# Altium PCB STB_LightBoard.PcbDoc (part 13 of 31)
Units mm, origin at the board's own origin, x right, y up, seen from the top; angles counter-clockwise.
Board outline 348 x 348 mm, 2 copper layers (Top Layer, Bottom Layer), stack 1.672 mm thick; 3807 components, 3391 nets, 11616 pads, 2553 vias.
Unrouted connection lines stored in the file: 68.
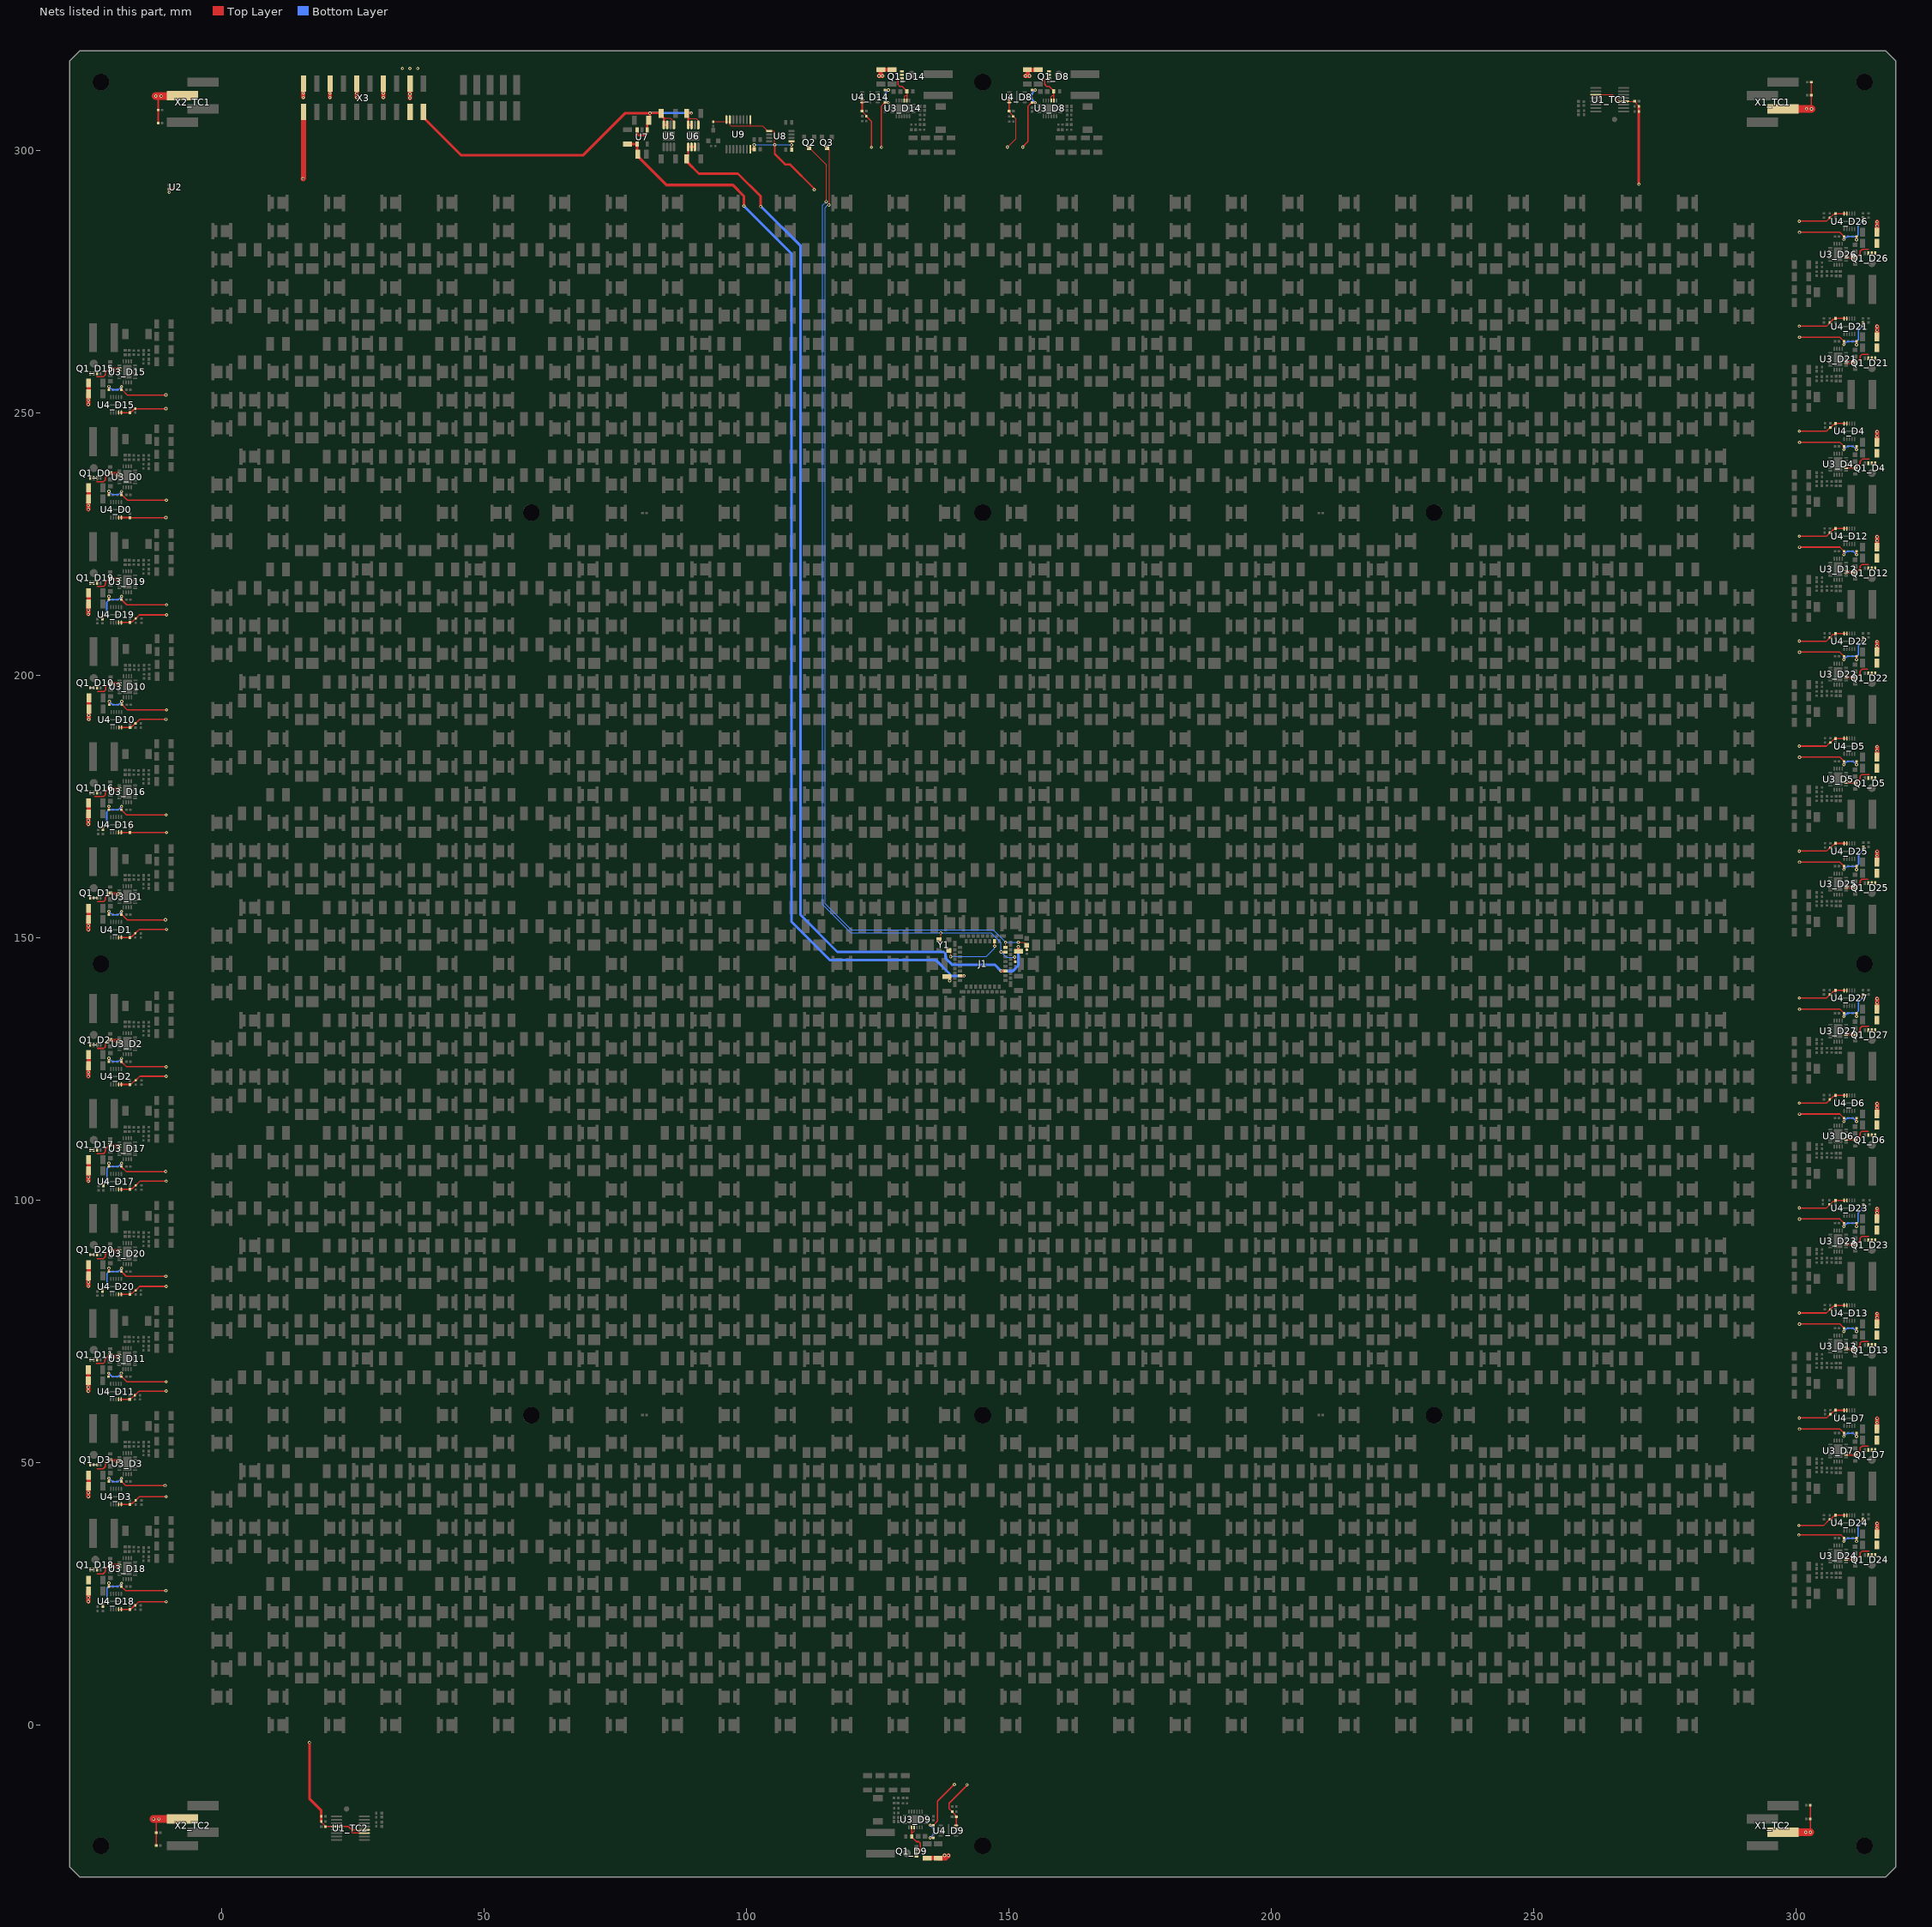
[diagram p13: the nets of this part, all layers, seen from the top]

## Part data (continued)
R48_TC1 R48_TC2 R49_TC1 R49_TC2 R55_D0 R55_D1 R55_D2 R55_D3 R55_D4 R55_D5 R55_D6 R55_D7 R55_D8 R55_D9 R55_D10 R55_D11 R55_D12 R55_D13 R55_D14 R55_D15 R55_D16 R55_D17 R55_D18 R55_D19 R55_D20 R55_D21 R55_D22 R55_D23 R55_D24 R55_D25 R55_D26 R55_D27 R58_D0 R58_D1 R58_D2 R58_D3 R58_D4 R58_D5 R58_D6 R58_D7 R58_D8 R58_D9 R58_D10 R58_D11 R58_D12 R58_D13 R58_D14 R58_D15 R58_D16 R58_D17 R58_D18 R58_D19 R58_D20 R58_D21 R58_D22 R58_D23 R58_D24 R58_D25 R58_D26 R58_D27 R94 R95 R96: library part CMP-2000-07588-1, "Chip Resistor, 10 KOhm, +/- 1%, 0.1 W, -55 to 155 degC, 0402 (1005 Metric), RoHS, Tape and Reel", Case Code (Imperial)=0402, Case Code (Metric)=1005, Manufacturer=Panasonic, Manufacturer Part Number=ERJ-2RKF1002X, Max Operating Temperature=155degC, Max Power Dissipation=100mW, Min Operating Temperature=-55degC, Package Description="2-Pin Surface Mount Device, Body 1 x 0.5 mm", Package Height=0.35mm, Package Length=1mm, Package Quantity=1, Package Reference=402, Package Shape=Rectangular, Package Style=SMTMeter, Package Width=0.5mm, Rated Temperature=70°C, Resistor Type="FIXED RESISTOR", Supplier Part Number 1=P10.0KLDKR-ND, Temperature Coefficient=100ppm\/degreesC, Tolerance=1%, Voltage Rating=50V, Case\/Package=0402, Category="Chip SMD Resistors", ComponentLink1Description=https://datasheet.ciiva.com:443/pdfs/VipMasterIC/IC/PANA/PANA-S-A0009889626/PANA-S-A0009889626-1.pdf?src-supplier=IHS+Markit, ComponentLink1URL=https://datasheet.ciiva.com:443/pdfs/VipMasterIC/IC/PANA/PANA-S-A0009889626/PANA-S-A0009889626-1.pdf?src-supplier=IHS+Markit, ComponentLink2Description=https://datasheet.ciiva.com/11821/0900766b80f80784-11821171.pdf?src-supplier=RSComponents, ComponentLink2URL=https://datasheet.ciiva.com/11821/0900766b80f80784-11821171.pdf?src-supplier=RSComponents, ComponentLink3Description=https://datasheet.ciiva.com/27055/1987020-27055643.pdf?src-supplier=Jameco, ComponentLink3URL=https://datasheet.ciiva.com/27055/1987020-27055643.pdf?src-supplier=Jameco, ComponentLink4Description=https://datasheet.ciiva.com/43467/1678782-43467402.pdf?src-supplier=Farnell, ComponentLink4URL=https://datasheet.ciiva.com/43467/1678782-43467402.pdf?src-supplier=Farnell, ComponentLink5Description=https://datasheet.ciiva.com/28514/1678782-28514185.pdf?src-supplier=Element14, ComponentLink5URL=https://datasheet.ciiva.com/28514/1678782-28514185.pdf?src-supplier=Element14, ComponentLink6Description=https://datasheet.ciiva.com/24023/aoa0000ce2-24023017.pdf?src-supplier=Mouser, ComponentLink6URL=https://datasheet.ciiva.com/24023/aoa0000ce2-24023017.pdf?src-supplier=Mouser, ComponentLink7Description=https://datasheet.ciiva.com/16782/70260748-16782590.pdf?src-supplier=Allied+Electronics, ComponentLink7URL=https://datasheet.ciiva.com/16782/70260748-16782590.pdf?src-supplier=Allied+Electronics, ComponentLink8Description=https://datasheet.ciiva.com/16786/70260748-16786734.pdf?src-supplier=Allied+Electronics, ComponentLink8URL=https://datasheet.ciiva.com/16786/70260748-16786734.pdf?src-supplier=Allied+Electronics, ComponentLink9Description=https://datasheet.ciiva.com/9194/aoa0000ce2-9194142.pdf?src-supplier=Avnet, ComponentLink9URL=https://datasheet.ciiva.com/9194/aoa0000ce2-9194142.pdf?src-supplier=Avnet, ComponentLink10Description=https://datasheet.ciiva.com/16199/aoa0000ce2-16199478.pdf?src-supplier=Future+Electronics, ComponentLink10URL=https://datasheet.ciiva.com/16199/aoa0000ce2-16199478.pdf?src-supplier=Future+Electronics, ComponentLink11Description=https://datasheet.ciiva.com/48531/aoa0000ce2-48531069.pdf?src-supplier=Avnet, ComponentLink11URL=https://datasheet.ciiva.com/48531/aoa0000ce2-48531069.pdf?src-supplier=Avnet, ComponentLink12Description=https://datasheet.ciiva.com/30201/aoa0000ce2-30201022.pdf?src-supplier=Onlinecomponents.com, ComponentLink12URL=https://datasheet.ciiva.com/30201/aoa0000ce2-30201022.pdf?src-supplier=Onlinecomponents.com, Composition=ThickFilm, Construction=Rectangular, Contact Plating=Tin, Datasheet URL=https://industrial.panasonic.com/cdbs/www-data/pdf/RDA0000/AOA0000C304.pdf, Datasheet Version=02/2017, Depth=0.5mm, Height=0.35mm, JESD-609 Code=e3, Lead Free=LeadFree, Length=1mm, Manufacturer URL=http://www.panasonic.com/, Military Standard=Not, Mount=SurfaceMount, Mounting Technology=SurfaceMount, Number of Pins=2, Number of Terminations=2, Packaging=TapeandReel, Power Rating=100mW, Pricing 1="1=0.10000, 10=0.03300, 100=0.01330, 1000=0.00599, 2500=0.00520, 5000=0.00429 (USD)", Radiation Hardening=No, Rated Power Dissipation (P)=100mW, REACH SVHC=NoSVHC, Reference Standard=AEC-Q200, RoHS=Yes, RoHS Compliant=Yes, RoHSCompliant=True, Size Code=0402, Stock 1=108, Supplier 1=Digi-Key, Technology="METAL GLAZE/THICK FILM", Terminal Finish=Nickel, Termination=SMD/SMT, Voltage Rating (DC)=50V, Width=0.02inch, Working Voltage=50V
R50_TC1 R50_TC2 R52_TC1 R52_TC2: library part CMP-1011-00531-2, Manufacturer="Yageo / Phycomp", Manufacturer Part Number=RC0402FR-071K6L, Max Operating Temperature=155°C, Min Operating Temperature=-55°C, Package Height=0.35mm, Package Length=1mm, Package Shape=Rectangular, Package Style=SMTMeter, Package Width=0.5mm, Rated Power Dissipation (P)=62.5mW, Rated Temperature=70°C, Resistor Type="FIXED RESISTOR", Supplier Part Number 1=YAG3045CT-ND, Temperature Coefficient=100ppm/°C, Tolerance=1%, Working Voltage=50V, Additional Feature="LASER TRIMMABLE", Category="Chip SMD Resistors", ComponentLink1Description=https://datasheet.ciiva.com:443/pdfs/VipMasterIC/IC/YAGO/YAGO-S-A0008145938/YAGO-S-A0008145938-1.pdf?src-supplier=IHS+Markit, ComponentLink1URL=https://datasheet.ciiva.com:443/pdfs/VipMasterIC/IC/YAGO/YAGO-S-A0008145938/YAGO-S-A0008145938-1.pdf?src-supplier=IHS+Markit, ComponentLink2Description=https://datasheet.ciiva.com/7849/1018594-7849865.pdf?src-supplier=Element14, ComponentLink2URL=https://datasheet.ciiva.com/7849/1018594-7849865.pdf?src-supplier=Element14, ComponentLink3Description=https://datasheet.ciiva.com/7849/1018594-7849866.pdf?src-supplier=Element14, ComponentLink3URL=https://datasheet.ciiva.com/7849/1018594-7849866.pdf?src-supplier=Element14, ComponentLink4Description=https://datasheet.ciiva.com/8895/pyu-rc0402-51-rohs-l-6-8895221.pdf?src-supplier=Avnet, ComponentLink4URL=https://datasheet.ciiva.com/8895/pyu-rc0402-51-rohs-l-6-8895221.pdf?src-supplier=Avnet, ComponentLink5Description=https://datasheet.ciiva.com/15189/getdatasheetpartid-329238-15189373.pdf?src-supplier=Verical, ComponentLink5URL=https://datasheet.ciiva.com/15189/getdatasheetpartid-329238-15189373.pdf?src-supplier=Verical, Construction=Chip, JESD-609 Code=e3, Mount="Surface Mount", Number of Pins=2, Packaging="Tape and Reel", Part Number=RC0402FR-071K6L, Pricing 1="1=0.10000, 10=0.01500, 100=0.00600, 1000=0.00267, 2500=0.00232, 5000=0.00192 (USD)", REACH SVHC=Yes, RoHS=Yes, RoHS Compliant=Yes, Size Code=0402, Stock 1=492226, Supplier 1=Digi-Key, Technology="METAL GLAZE/THICK FILM", Terminal Finish=Nickel, Termination=Wraparound
R51_TC1 R51_TC2 R53_TC1 R53_TC2: library part CMP-06022-000003-3, "NTC Thermistor for Temperature Sensor, 0402, 10kΩ, 1%, 0.1mA, 5V", Case Code (Imperial)=0402, Case Code (Metric)=1005, Current Rating=310uA, Manufacturer=Murata, Max Operating Temperature=125°C, Max Power Dissipation=100mW, Min Operating Temperature=-40°C, Package Quantity=10000, Package Shape=Rectangular, Rated Temperature=25°C, Resistance Tolerance=1%, Resistor Type="NTC THERMISTOR", Supplier Part Number 1=490-4801-1-ND, Case/Package=0402, Category=Thermistors, ComponentLink1Description=https://datasheet.ciiva.com:443/pdfs/VipMasterIC/IC/MURE/MURE-S-A0003530701/MURE-S-A0003530701-1.pdf?src-supplier=IHS+Markit, ComponentLink1URL=https://datasheet.ciiva.com:443/pdfs/VipMasterIC/IC/MURE/MURE-S-A0003530701/MURE-S-A0003530701-1.pdf?src-supplier=IHS+Markit, Depth=0.5mm, Height=0.5mm, JESD-609 Code=e3, Lead Free="Lead Free", Length=1mm, Manufacturer Part Number=NCP15XH103F03RC, Mount="Surface Mount", Number of Pins=2, Packaging="Tape and Reel", Power Rating=100mW, Pricing 1="1=0.16000, 5=0.14200, 10=0.12600, 25=0.11280, 50=0.09940, 100=0.08470, 500=0.07000, 1000=0.05861, 5000=0.05210 (USD)", Radiation Hardening=No, Rated Power Dissipation (P)=100mW, REACH SVHC="No SVHC", RoHS=Yes, RoHS Compliant=Yes, Series=NCP, Stock 1=413279, Supplier 1=Digi-Key, Terminal Finish=Nickel, Terminal Placement="Dual Ended", Termination=SMD/SMT, Thermistor Application="TEMPERATURE COMPENSATION", Tolerance=1%
R54_D0 R54_D1 R54_D2 R54_D3 R54_D4 R54_D5 R54_D6 R54_D7 R54_D8 R54_D9 R54_D10 R54_D11 R54_D12 R54_D13 R54_D14 R54_D15 R54_D16 R54_D17 R54_D18 R54_D19 R54_D20 R54_D21 R54_D22 R54_D23 R54_D24 R54_D25 R54_D26 R54_D27: library part CMP-2002-00863-1, Manufacturer=Panasonic, Manufacturer Part Number=ERJ-2RKF3163X, Max Operating Temperature=155°C, Min Operating Temperature=-55°C, Package Height=0.35mm, Package Length=1mm, Package Shape=Rectangular, Package Style=SMTMeter, Package Width=0.5mm, Rated Power Dissipation (P)=100mW, Rated Temperature=70°C, Resistor Type="FIXED RESISTOR", Supplier Part Number 1=P316KLDKR-ND, Temperature Coefficient=100ppm/°C, Tolerance=1%, Working Voltage=50V, Category="Chip SMD Resistors", ComponentLink1Description=https://datasheet.ciiva.com:443/pdfs/VipMasterIC/IC/PANA/PANA-S-A0009889626/PANA-S-A0009889626-1.pdf?src-supplier=IHS+Markit, ComponentLink1URL=https://datasheet.ciiva.com:443/pdfs/VipMasterIC/IC/PANA/PANA-S-A0009889626/PANA-S-A0009889626-1.pdf?src-supplier=IHS+Markit, ComponentLink2Description=https://datasheet.ciiva.com/7853/aoa0000ce2-7853694.pdf?src-supplier=Element14, ComponentLink2URL=https://datasheet.ciiva.com/7853/aoa0000ce2-7853694.pdf?src-supplier=Element14, ComponentLink3Description=https://datasheet.ciiva.com/43467/1678782-43467525.pdf?src-supplier=Farnell, ComponentLink3URL=https://datasheet.ciiva.com/43467/1678782-43467525.pdf?src-supplier=Farnell, ComponentLink4Description=https://datasheet.ciiva.com/46373/1678782-46373323.pdf?src-supplier=Element14, ComponentLink4URL=https://datasheet.ciiva.com/46373/1678782-46373323.pdf?src-supplier=Element14, ComponentLink5Description=https://datasheet.ciiva.com/22663/1678782-22663805.pdf?src-supplier=Farnell, ComponentLink5URL=https://datasheet.ciiva.com/22663/1678782-22663805.pdf?src-supplier=Farnell, ComponentLink6Description=https://datasheet.ciiva.com/28564/1694929-28564143.pdf?src-supplier=Element14, ComponentLink6URL=https://datasheet.ciiva.com/28564/1694929-28564143.pdf?src-supplier=Element14, ComponentLink7Description=https://datasheet.ciiva.com/46373/1678782-46373322.pdf?src-supplier=Element14, ComponentLink7URL=https://datasheet.ciiva.com/46373/1678782-46373322.pdf?src-supplier=Element14, ComponentLink8Description=https://datasheet.ciiva.com/24070/aoa0000ce2-24070773.pdf?src-supplier=Mouser, ComponentLink8URL=https://datasheet.ciiva.com/24070/aoa0000ce2-24070773.pdf?src-supplier=Mouser, ComponentLink9Description=https://datasheet.ciiva.com/16761/70260748-16761806.pdf?src-supplier=Allied+Electronics, ComponentLink9URL=https://datasheet.ciiva.com/16761/70260748-16761806.pdf?src-supplier=Allied+Electronics, ComponentLink10Description=https://datasheet.ciiva.com/16762/70260748-16762152.pdf?src-supplier=Allied+Electronics, ComponentLink10URL=https://datasheet.ciiva.com/16762/70260748-16762152.pdf?src-supplier=Allied+Electronics, ComponentLink11Description=https://datasheet.ciiva.com/9183/aoa0000ce2-9183095.pdf?src-supplier=Avnet, ComponentLink11URL=https://datasheet.ciiva.com/9183/aoa0000ce2-9183095.pdf?src-supplier=Avnet, ComponentLink12Description=https://datasheet.ciiva.com/30180/aoa0000ce2-30180486.pdf?src-supplier=Onlinecomponents.com, ComponentLink12URL=https://datasheet.ciiva.com/30180/aoa0000ce2-30180486.pdf?src-supplier=Onlinecomponents.com, Construction=Rectangular, JESD-609 Code=e3, Mount="Surface Mount", Number of Pins=2, Packaging="Tape and Reel", Part Number=ERJ-2RKF3163X, Pricing 1="1=0.10000, 10=0.03300, 100=0.01330, 1000=0.00599, 2500=0.00520, 5000=0.00429 (USD)", Reach SVHC Compliant=Yes, Reference Standard=AEC-Q200, RoHS=Yes, RoHS Compliant=Yes, Size Code=0402, Stock 1=215434, Supplier 1=Digi-Key, Technology="METAL GLAZE/THICK FILM", Terminal Finish=Nickel, Termination=Wraparound
R59_D0 R59_D1 R59_D2 R59_D3 R59_D4 R59_D5 R59_D6 R59_D7 R59_D8 R59_D9 R59_D10 R59_D11 R59_D12 R59_D13 R59_D14 R59_D15 R59_D16 R59_D17 R59_D18 R59_D19 R59_D20 R59_D21 R59_D22 R59_D23 R59_D24 R59_D25 R59_D26 R59_D27: library part CMP-2002-00254-1, Manufacturer="Vishay Dale", Manufacturer Part Number=CRCW04028K20FKED, Max Operating Temperature=155°C, Min Operating Temperature=-55°C, Package Height=0.35mm, Package Length=1mm, Package Shape=Rectangular, Package Style=SMTMeter, Package Width=0.5mm, Rated Power Dissipation (P)=63mW, Rated Temperature=70°C, Resistor Type="FIXED RESISTOR", Supplier Part Number 1=541-8.20KLCT-ND, Temperature Coefficient=100ppm/°C, Tolerance=1%, Working Voltage=50V, Category="Chip SMD Resistors", ComponentLink1Description=https://datasheet.ciiva.com:443/pdfs/VipMasterIC/IC/VISH/VISH-S-A0007266705/VISH-S-A0007266705-1.pdf?src-supplier=IHS+Markit, ComponentLink1URL=https://datasheet.ciiva.com:443/pdfs/VipMasterIC/IC/VISH/VISH-S-A0007266705/VISH-S-A0007266705-1.pdf?src-supplier=IHS+Markit, ComponentLink2Description=https://datasheet.ciiva.com/11812/0900766b80d98824-11812188.pdf?src-supplier=RSComponents, ComponentLink2URL=https://datasheet.ciiva.com/11812/0900766b80d98824-11812188.pdf?src-supplier=RSComponents, ComponentLink3Description=https://datasheet.ciiva.com/3256/dcrcwe3-3256869.pdf?src-supplier=Avnet, ComponentLink3URL=https://datasheet.ciiva.com/3256/dcrcwe3-3256869.pdf?src-supplier=Avnet, ComponentLink4Description=https://datasheet.ciiva.com/22708/1697337-22708421.pdf?src-supplier=Element14, ComponentLink4URL=https://datasheet.ciiva.com/22708/1697337-22708421.pdf?src-supplier=Element14, ComponentLink5Description=https://datasheet.ciiva.com/7743/125364-7743766.pdf?src-supplier=Element14, ComponentLink5URL=https://datasheet.ciiva.com/7743/125364-7743766.pdf?src-supplier=Element14, ComponentLink6Description=https://datasheet.ciiva.com/5544/dcrcwe3-109170-5544989.pdf?src-supplier=Mouser, ComponentLink6URL=https://datasheet.ciiva.com/5544/dcrcwe3-109170-5544989.pdf?src-supplier=Mouser, ComponentLink7Description=https://datasheet.ciiva.com/22870/70201119-22870317.pdf?src-supplier=Allied+Electronics, ComponentLink7URL=https://datasheet.ciiva.com/22870/70201119-22870317.pdf?src-supplier=Allied+Electronics, ComponentLink8Description=https://datasheet.ciiva.com/7841/1697337-7841551.pdf?src-supplier=Element14, ComponentLink8URL=https://datasheet.ciiva.com/7841/1697337-7841551.pdf?src-supplier=Element14, ComponentLink9Description=https://datasheet.ciiva.com/2495/dcrcwe3-2495081.pdf?src-supplier=Digi-Key, ComponentLink9URL=https://datasheet.ciiva.com/2495/dcrcwe3-2495081.pdf?src-supplier=Digi-Key, ComponentLink10Description=https://datasheet.ciiva.com/16768/70201119-16768637.pdf?src-supplier=Allied+Electronics, ComponentLink10URL=https://datasheet.ciiva.com/16768/70201119-16768637.pdf?src-supplier=Allied+Electronics, ComponentLink11Description=https://datasheet.ciiva.com/7841/1697337-7841550.pdf?src-supplier=Element14, ComponentLink11URL=https://datasheet.ciiva.com/7841/1697337-7841550.pdf?src-supplier=Element14, ComponentLink12Description=https://datasheet.ciiva.com/2495/dcrcwe3-2495080.pdf?src-supplier=Digi-Key, ComponentLink12URL=https://datasheet.ciiva.com/2495/dcrcwe3-2495080.pdf?src-supplier=Digi-Key, ComponentLink13Description=https://datasheet.ciiva.com/26316/fld-crcw-e3-data-en-26316617.pdf?src-supplier=Distrelec, ComponentLink13URL=https://datasheet.ciiva.com/26316/fld-crcw-e3-data-en-26316617.pdf?src-supplier=Distrelec, ComponentLink14Description=https://datasheet.ciiva.com/2495/dcrcwe3-2495082.pdf?src-supplier=Digi-Key, ComponentLink14URL=https://datasheet.ciiva.com/2495/dcrcwe3-2495082.pdf?src-supplier=Digi-Key, Construction=Chip, JESD-609 Code=e3, Mount="Surface Mount", Number of Pins=2, Packaging="Tape and Reel", Part Number=CRCW04028K20FKED, Pricing 1="1=0.10000, 10=0.03600, 100=0.01460, 1000=0.00656, 2500=0.00569, 5000=0.00470 (USD)", REACH SVHC=Yes, Reference Standard=AEC-Q200, RoHS=Yes, RoHS Compliant=Yes, Size Code=0402, Stock 1=13746, Supplier 1=Digi-Key, Technology="METAL GLAZE/THICK FILM", Terminal Finish=Nickel, Termination=Wraparound
R60_D0 R60_D1 R60_D2 R60_D3 R60_D4 R60_D5 R60_D6 R60_D7 R60_D8 R60_D9 R60_D10 R60_D11 R60_D12 R60_D13 R60_D14 R60_D15 R60_D16 R60_D17 R60_D18 R60_D19 R60_D20 R60_D21 R60_D22 R60_D23 R60_D24 R60_D25 R60_D26 R60_D27: library part CMP-1011-00562-2, Manufacturer="Yageo / Phycomp", Manufacturer Part Number=RC0402FR-073KL, Max Operating Temperature=155°C, Min Operating Temperature=-55°C, Package Height=0.35mm, Package Length=1mm, Package Shape=Rectangular, Package Style=SMTMeter, Package Width=0.5mm, Rated Power Dissipation (P)=62.5mW, Rated Temperature=70°C, Resistor Type="FIXED RESISTOR", Supplier Part Number 1=311-3KLRDKR-ND, Temperature Coefficient=100ppm/°C, Tolerance=1%, Working Voltage=50V, Additional Feature="LASER TRIMMABLE", Category="Chip SMD Resistors", ComponentLink1Description=https://datasheet.ciiva.com:443/pdfs/VipMasterIC/IC/YAGO/YAGO-S-A0008145938/YAGO-S-A0008145938-1.pdf?src-supplier=IHS+Markit, ComponentLink1URL=https://datasheet.ciiva.com:443/pdfs/VipMasterIC/IC/YAGO/YAGO-S-A0008145938/YAGO-S-A0008145938-1.pdf?src-supplier=IHS+Markit, ComponentLink2Description=https://datasheet.ciiva.com/7849/1018594-7849992.pdf?src-supplier=Element14, ComponentLink2URL=https://datasheet.ciiva.com/7849/1018594-7849992.pdf?src-supplier=Element14, ComponentLink3Description=https://datasheet.ciiva.com/7849/1018594-7849991.pdf?src-supplier=Element14, ComponentLink3URL=https://datasheet.ciiva.com/7849/1018594-7849991.pdf?src-supplier=Element14, ComponentLink4Description=https://datasheet.ciiva.com/2553/pyu-r-int-thick-7-2553255.pdf?src-supplier=Digi-Key, ComponentLink4URL=https://datasheet.ciiva.com/2553/pyu-r-int-thick-7-2553255.pdf?src-supplier=Digi-Key, ComponentLink5Description=https://datasheet.ciiva.com/2553/pyu-r-int-thick-7-2553256.pdf?src-supplier=Digi-Key, ComponentLink5URL=https://datasheet.ciiva.com/2553/pyu-r-int-thick-7-2553256.pdf?src-supplier=Digi-Key, ComponentLink6Description=https://datasheet.ciiva.com/2553/pyu-r-int-thick-7-2553254.pdf?src-supplier=Digi-Key, ComponentLink6URL=https://datasheet.ciiva.com/2553/pyu-r-int-thick-7-2553254.pdf?src-supplier=Digi-Key, ComponentLink7Description=https://datasheet.ciiva.com/12666/pyu-rc0402-51-rohs-l-6-r-12666952.pdf?src-supplier=Mouser, ComponentLink7URL=https://datasheet.ciiva.com/12666/pyu-rc0402-51-rohs-l-6-r-12666952.pdf?src-supplier=Mouser, Construction=Chip, JESD-609 Code=e3, Mount="Surface Mount", Number of Pins=2, Packaging="Tape and Reel", Part Number=RC0402FR-073KL, Pricing 1="1=0.10000, 10=0.01500, 100=0.00600, 1000=0.00267, 2500=0.00232, 5000=0.00192 (USD)", Reach SVHC Compliant=Yes, RoHS=Yes, RoHS Compliant=Yes, Size Code=0402, Stock 1=1276326, Supplier 1=Digi-Key, Technology="METAL GLAZE/THICK FILM", Terminal Finish=Nickel, Termination=Wraparound
R93: library part CMP-2002-07343-1, Manufacturer="Yageo / Phycomp", Manufacturer Part Number=RC0402FR-07100KL, Max Operating Temperature=155°C, Min Operating Temperature=-55°C, Package Height=0.35mm, Package Length=1mm, Package Shape=Rectangular, Package Style=SMTMeter, Package Width=0.5mm, Rated Power Dissipation (P)=62.5mW, Rated Temperature=70°C, Resistor Type="FIXED RESISTOR", Supplier Part Number 1=311-100KLRDKR-ND, Temperature Coefficient=100ppm/°C, Tolerance=1%, Working Voltage=50V, Additional Feature="LASER TRIMMABLE", Category="Chip SMD Resistors", ComponentLink1Description=https://datasheet.ciiva.com:443/pdfs/VipMasterIC/IC/YAGO/YAGO-S-A0008145938/YAGO-S-A0008145938-1.pdf?src-supplier=IHS+Markit, ComponentLink1URL=https://datasheet.ciiva.com:443/pdfs/VipMasterIC/IC/YAGO/YAGO-S-A0008145938/YAGO-S-A0008145938-1.pdf?src-supplier=IHS+Markit, Construction=Chip, JESD-609 Code=e3, Mount="Surface Mount", Number of Pins=2, Packaging="Tape and Reel", Part Number=RC0402FR-07100KL, Pricing 1="1=0.10000, 10=0.01500, 100=0.00600, 1000=0.00267, 2500=0.00232, 5000=0.00192 (USD)", REACH SVHC=Yes, RoHS=Yes, RoHS Compliant=Yes, Size Code=0402, Stock 1=43269933, Supplier 1=Digi-Key, Technology="METAL GLAZE/THICK FILM", Terminal Finish=Nickel, Termination=Wraparound
TP1 TP2: "testPoint 1mm"
U1_TC1 U1_TC2: library part CMP-0253-00230-1, "Dual-Channel Temperature Monitors and Fan-Speed Controller with Thermistor Inputs, -40 to 125 degC, 16-Pin SOP (E16+1), Pb-Free, Tape and Reel", Generic Part Number=MAX6615, Manufacturer=Maxim, Max Operating Temperature=125°C, Max Supply Voltage=5.5V, Min Operating Temperature=-40°C, Min Supply Voltage=3V, Operating Current-Max=1mA, Package Body Material=Plastic, Package Equivalence Code=SSOP16,.25, Package Shape/Style=Rectangular, Power Supplies=3.3/5V, Supplier Part Number 1=MAX6615AEE+TCT-ND, Body Breadth=3.9inch, Body Height=1.64mm, Body Length or Diameter=8.65mm, Category="Power Management ICs", Code_JEDEC=MO137, ComponentLink1Description="Manufacturer URL", ComponentLink1URL=http://www.maximintegrated.com/, ComponentLink2Description=Datasheet, ComponentLink2URL=http://datasheets.maximintegrated.com/en/ds/MAX6615-MAX6616.pdf, ComponentLink3Description="Package Specification", ComponentLink3URL=http://pdfserv.maximintegrated.com/package_dwgs/21-0055.PDF, ComponentLink4Description=https://datasheet.ciiva.com:443/pdfs/VipMasterIC/IC/MAXM/MAXMS09113/MAXMS09113-1.pdf?src-supplier=IHS+Markit, ComponentLink4URL=https://datasheet.ciiva.com:443/pdfs/VipMasterIC/IC/MAXM/MAXMS09113/MAXMS09113-1.pdf?src-supplier=IHS+Markit, ComponentLink5Description=https://datasheet.ciiva.com/3279/max6615-max6616-3279622.pdf?src-supplier=Avnet, ComponentLink5URL=https://datasheet.ciiva.com/3279/max6615-max6616-3279622.pdf?src-supplier=Avnet, ComponentLink6Description=https://datasheet.ciiva.com/14083/max6615-max6616-14083689.pdf?src-supplier=Digi-Key, ComponentLink6URL=https://datasheet.ciiva.com/14083/max6615-max6616-14083689.pdf?src-supplier=Digi-Key, ComponentLink7Description=https://datasheet.ciiva.com/13952/max6615-max6616-13952058.pdf?src-supplier=Digi-Key, ComponentLink7URL=https://datasheet.ciiva.com/13952/max6615-max6616-13952058.pdf?src-supplier=Digi-Key, ComponentLink8Description=https://datasheet.ciiva.com/13952/max6615-max6616-13952059.pdf?src-supplier=Digi-Key, ComponentLink8URL=https://datasheet.ciiva.com/13952/max6615-max6616-13952059.pdf?src-supplier=Digi-Key, DatasheetVersion="Rev. 2", Fan Cntrl.=PWM, Fan Controller Functions="Fan Failure Detector", Interface=2-Wire/I2C/SMBus, JESD-609 Code=e3, Manufacturer Part Number=MAX6615AEE+T, Mount="Surface Mount", Mounting Technology="Surface Mount", Number of Bits=8, Number of Pins=16, Output Interface Type=2-Wire, PackageDescription="16-Pin Quarter Small-Outline Package (E16+1), Body 4.90 x 3.89 mm, Pitch 0.635 mm", PackageReference=E16+1, PackageVersion="Rev. K, 04/2012", Packing="Tape and Reel", PartNumber=MAX6615AEE+T, REACH SVHC=Yes, RoHS=Yes, RoHS Compliant=Yes, Sensors/Transducers Type="TEMPERATURE SENSOR,SWITCH/DIGITAL OUTPUT,SERIAL", Supplier 1=Digi-Key, Technology=BICMOS, Terminal Finish=Tin, Termination=Solder
U2: library part CMP-02089-1, "Memory IC 64Kb (8K x 8) I²C 1 MHz 400 ns 4-WLCSP (0.77x0.77)", Clock Frequency="1 MHz", Manufacturer="ON Semiconductor", Mfr=onsemi, Operating Temperature="-40°C ~ 85°C (TA)", Package / Case="4-XFBGA, WLCSP", Supplier Device Package="4-WLCSP (0.77x0.77)", Supplier Part Number 1=488-N24S64BC4DYT3GDKR-ND, Voltage - Supply="1.7V ~ 5.5V", Access Time="400 ns", Base Product Number=N24S64, Category=EEPROM, Manufacturer Part Number=N24S64BC4DYT3G, Memory Format=EEPROM, Memory Interface=I²C, Memory Size="64Kb (8K x 8)", Memory Type=Non-Volatile, Mounting Type="Surface Mount", Product Status=Active, RoHS=Yes, Supplier 1=Digi-Key, Technology=-, Write Cycle Time - Word, Page=5ms
U3_D0 U3_D1 U3_D2 U3_D3 U3_D4 U3_D5 U3_D6 U3_D7 U3_D8 U3_D9 U3_D10 U3_D11 U3_D12 U3_D13 U3_D14 U3_D15 U3_D16 U3_D17 U3_D18 U3_D19 U3_D20 U3_D21 U3_D22 U3_D23 U3_D24 U3_D25 U3_D26 U3_D27: library part CMP-02051-1, "LED Driver IC 6 Output DC DC Regulator Step-Up (Boost) Analog, I²C, PWM Dimming 50mA 20-QFN (3x4)", Current - Output / Channel=50mA, Frequency="600kHz, 1.2MHz", Manufacturer=Renesas, Operating Temperature="-40°C ~ 105°C (TA)", Package / Case="20-VFQFN Exposed Pad", Supplier Device Package="20-QFN (3x4)", Voltage - Output=40V, Voltage - Supply (Max)=26.5V, Voltage - Supply (Min)=4.5V, Applications="Automotive, Backlight", Dimming="Analog, I²C, PWM", Interface IC Type="LED DISPLAY DRIVER", Internal Switch(s)=Yes, JESD-609 Code=e3, Manufacturer Part Number=ISL78171ARZ-T7A, Mounting Type="Surface Mount", Number of Outputs=6, REACH SVHC=Yes, RoHS Compliant=Yes, Series="Automotive, AEC-Q100", Terminal Finish=Tin, Topology="Step-Up (Boost)", Type="DC DC Regulator"
U4_D0 U4_D1 U4_D2 U4_D3 U4_D4 U4_D5 U4_D6 U4_D7 U4_D8 U4_D9 U4_D10 U4_D11 U4_D12 U4_D13 U4_D14 U4_D15 U4_D16 U4_D17 U4_D18 U4_D19 U4_D20 U4_D21 U4_D22 U4_D23 U4_D24 U4_D25 U4_D26 U4_D27: library part CMP-02068-1, "Single I2C/SMBus Address Translator", Manufacturer="Analog Devices / Linear Technology", Max Operating Temperature=85°C, Max Supply Voltage=5.5V, Min Operating Temperature=-40°C, Min Supply Voltage=2.25V, Package Body Material=Plastic, Package Code=VSON, Package Shape=Square, Package Style="SMALL OUTLINE, VERY THIN PROFILEMeter", Supplier Part Number 1=505-LTC4316IDD#TRPBFDKR-ND, Supply Voltage-Nom=3.3V, Temperature Grade=INDUSTRIAL, Category="Interface ICs", ComponentLink1Description=https://datasheet.ciiva.com:443/pdfs/VipMasterIC/IC/LITC/LITC-S-A0001226702/LITC-S-A0001226702-1.pdf?src-supplier=IHS+Markit, ComponentLink1URL=https://datasheet.ciiva.com:443/pdfs/VipMasterIC/IC/LITC/LITC-S-A0001226702/LITC-S-A0001226702-1.pdf?src-supplier=IHS+Markit, ComponentLink2Description=http://www.linear.com/docs/46527?src-supplier=Digi-Key, ComponentLink2URL=http://www.linear.com/docs/46527?src-supplier=Digi-Key, Height - Seated (Max)=0.8mm, Interface IC Type="INTERFACE CIRCUIT", JESD-30 Code=S-PDSO-N10, Length=3mm, Manufacturer Part Number=LTC4316IDD#TRPBF, Number of Functions=1, Number of Pins=10, Pricing 1="1=5.70000, 10=5.12100, 25=4.84160, 100=4.19600, 250=3.98084, 500=3.57198, 1000=3.04500 (USD)", REACH SVHC=Yes, RoHS=Yes, RoHS Compliant=Yes, Stock 1=531, Supplier 1=Digi-Key, Surface Mount=Yes, Technology=CMOS, Terminal Form="No Lead", Terminal Pitch=0.5mm, Terminal Position=DUAL, Width=3mm
U5 U6: library part CMP-0786-00232-1, "500 mA, Low Quiescent Current, CMOS Linear Regulator, 2.3 to 5.5 V Vin, 2.8 V Vout, Industrial, 8-pin SOP (RH-8-1), Reel", Dropout Voltage1-Max=230mV, Dropout Voltage1-Nom=130mV, Input Voltage Absolute-Max=6.5V, Manufacturer="Analog Devices", Max Input Voltage=5.5V, Min Input Voltage=2.3V, Operating Temperature, TJ-Max=125°C, Operating Temperature, TJ-Min=-40°C, Output Current1-Max=500mA, Output Voltage1-Max=2.842V, Output Voltage1-Min=2.744V, Output Voltage1-Nom=2.8V, Package Body Material=Plastic, Package Code=HTSSOP, Package Equivalence Code=TSSOP8,.19, Package Shape=Square, Package Style="SMALL OUTLINE, HEAT SINK/SLUG, THIN PROFILE, SHRINK PITCHMeter", Peak Reflow Temperature (Cel)=260°C, Preset Vout Values (V)=2.8, Supplier Part Number 1=ADP124ARHZ-2.8-R7DKR-ND, Supply Current IGND @ Small Load=45uA, Time @ Peak Reflow Temperature-Max (s)=30s, Voltage Tolerance-Max=1.5%, Adjustability=FIXED, Category="Voltage Regulators - Linear", Code_JEDEC=MO-187-AA-T, ComponentLink1Description="Manufacturer URL", ComponentLink1URL=http://www.analog.com/en/index.html, ComponentLink2Description=Datasheet, ComponentLink2URL=http://www.analog.com/static/imported-files/data_sheets/ADP124_125.pdf, ComponentLink3Description="Package Specification", ComponentLink3URL=http://www.analog.com/static/imported-files/packages/PKG_PDF/MSOP_ED(RH)/RH_8_1.pdf, ComponentLink4Description="URL Link1", ComponentLink4URL="Product URL:http://www.analog.com/en/ADP124/productSearch.html", ComponentLink5Description=https://datasheet.ciiva.com:443/pdfs/VipMasterIC/IC/ANDI/ANDI-S-A0000447850/ANDI-S-A0000447850-1.pdf?src-supplier=IHS+Markit, ComponentLink5URL=https://datasheet.ciiva.com:443/pdfs/VipMasterIC/IC/ANDI/ANDI-S-A0000447850/ANDI-S-A0000447850-1.pdf?src-supplier=IHS+Markit, ComponentLink6Description=https://datasheet.ciiva.com/2050/adp124-125-2050438.pdf?src-supplier=Digi-Key, ComponentLink6URL=https://datasheet.ciiva.com/2050/adp124-125-2050438.pdf?src-supplier=Digi-Key, ComponentLink7Description=https://datasheet.ciiva.com/2050/adp124-125-2050439.pdf?src-supplier=Digi-Key, ComponentLink7URL=https://datasheet.ciiva.com/2050/adp124-125-2050439.pdf?src-supplier=Digi-Key, ComponentLink8Description=https://datasheet.ciiva.com/8242/adp124-125-8242133.pdf?src-supplier=Avnet, ComponentLink8URL=https://datasheet.ciiva.com/8242/adp124-125-8242133.pdf?src-supplier=Avnet, ComponentLink9Description=https://datasheet.ciiva.com/2050/adp124-125-2050440.pdf?src-supplier=Digi-Key, ComponentLink9URL=https://datasheet.ciiva.com/2050/adp124-125-2050440.pdf?src-supplier=Digi-Key, DatasheetVersion="Rev. C", Height - Seated (Max)=1.1mm, Iout max=500mA, JESD-30 Code=S-PDSO-G8, JESD-609 Code=e3, Length=3mm, Line Regulation-Max=0.0045%, Load Regulation-Max=0.0139%, Manufacturer Part Number=ADP124ARHZ-2.8-R7, Moisture Sensitivity Level=3, Mounting Technology="Surface Mount", Number of Functions=1, Number of Outputs=1, Number of Pins=8, PackageDescription="8-Pin Mini Small Outline Package, Body 3 x 3 mm, Pitch 0.65 mm", PackageReference=RH-8-1, PackageVersion="071008-A, 08/2008", Packaging="Tape and Reel", Packing=Reel, PartNumber=ADP124ARHZ-2.8-R7, Pricing 1="1=2.01000 (USD)", Qualification Status="Not Qualified", Reach SVHC Compliant=Yes, Regulator Type="FIXED POSITIVE SINGLE OUTPUT LDO REGULATOR", RoHS=Yes, RoHS Compliant=Yes, Stock 1=960, Supplier 1=Digi-Key, Surface Mount=Yes, Technology=CMOS, Terminal Finish=Tin, Terminal Form="Gull Wing", Terminal Pitch=0.65mm, Terminal Position=DUAL, Vin (max) (V)=5.5, Vin (min) (V)=2.3, Width=3mm